# KiCad board OpenDeck-r2.2.0.kicad_pcb (continued)
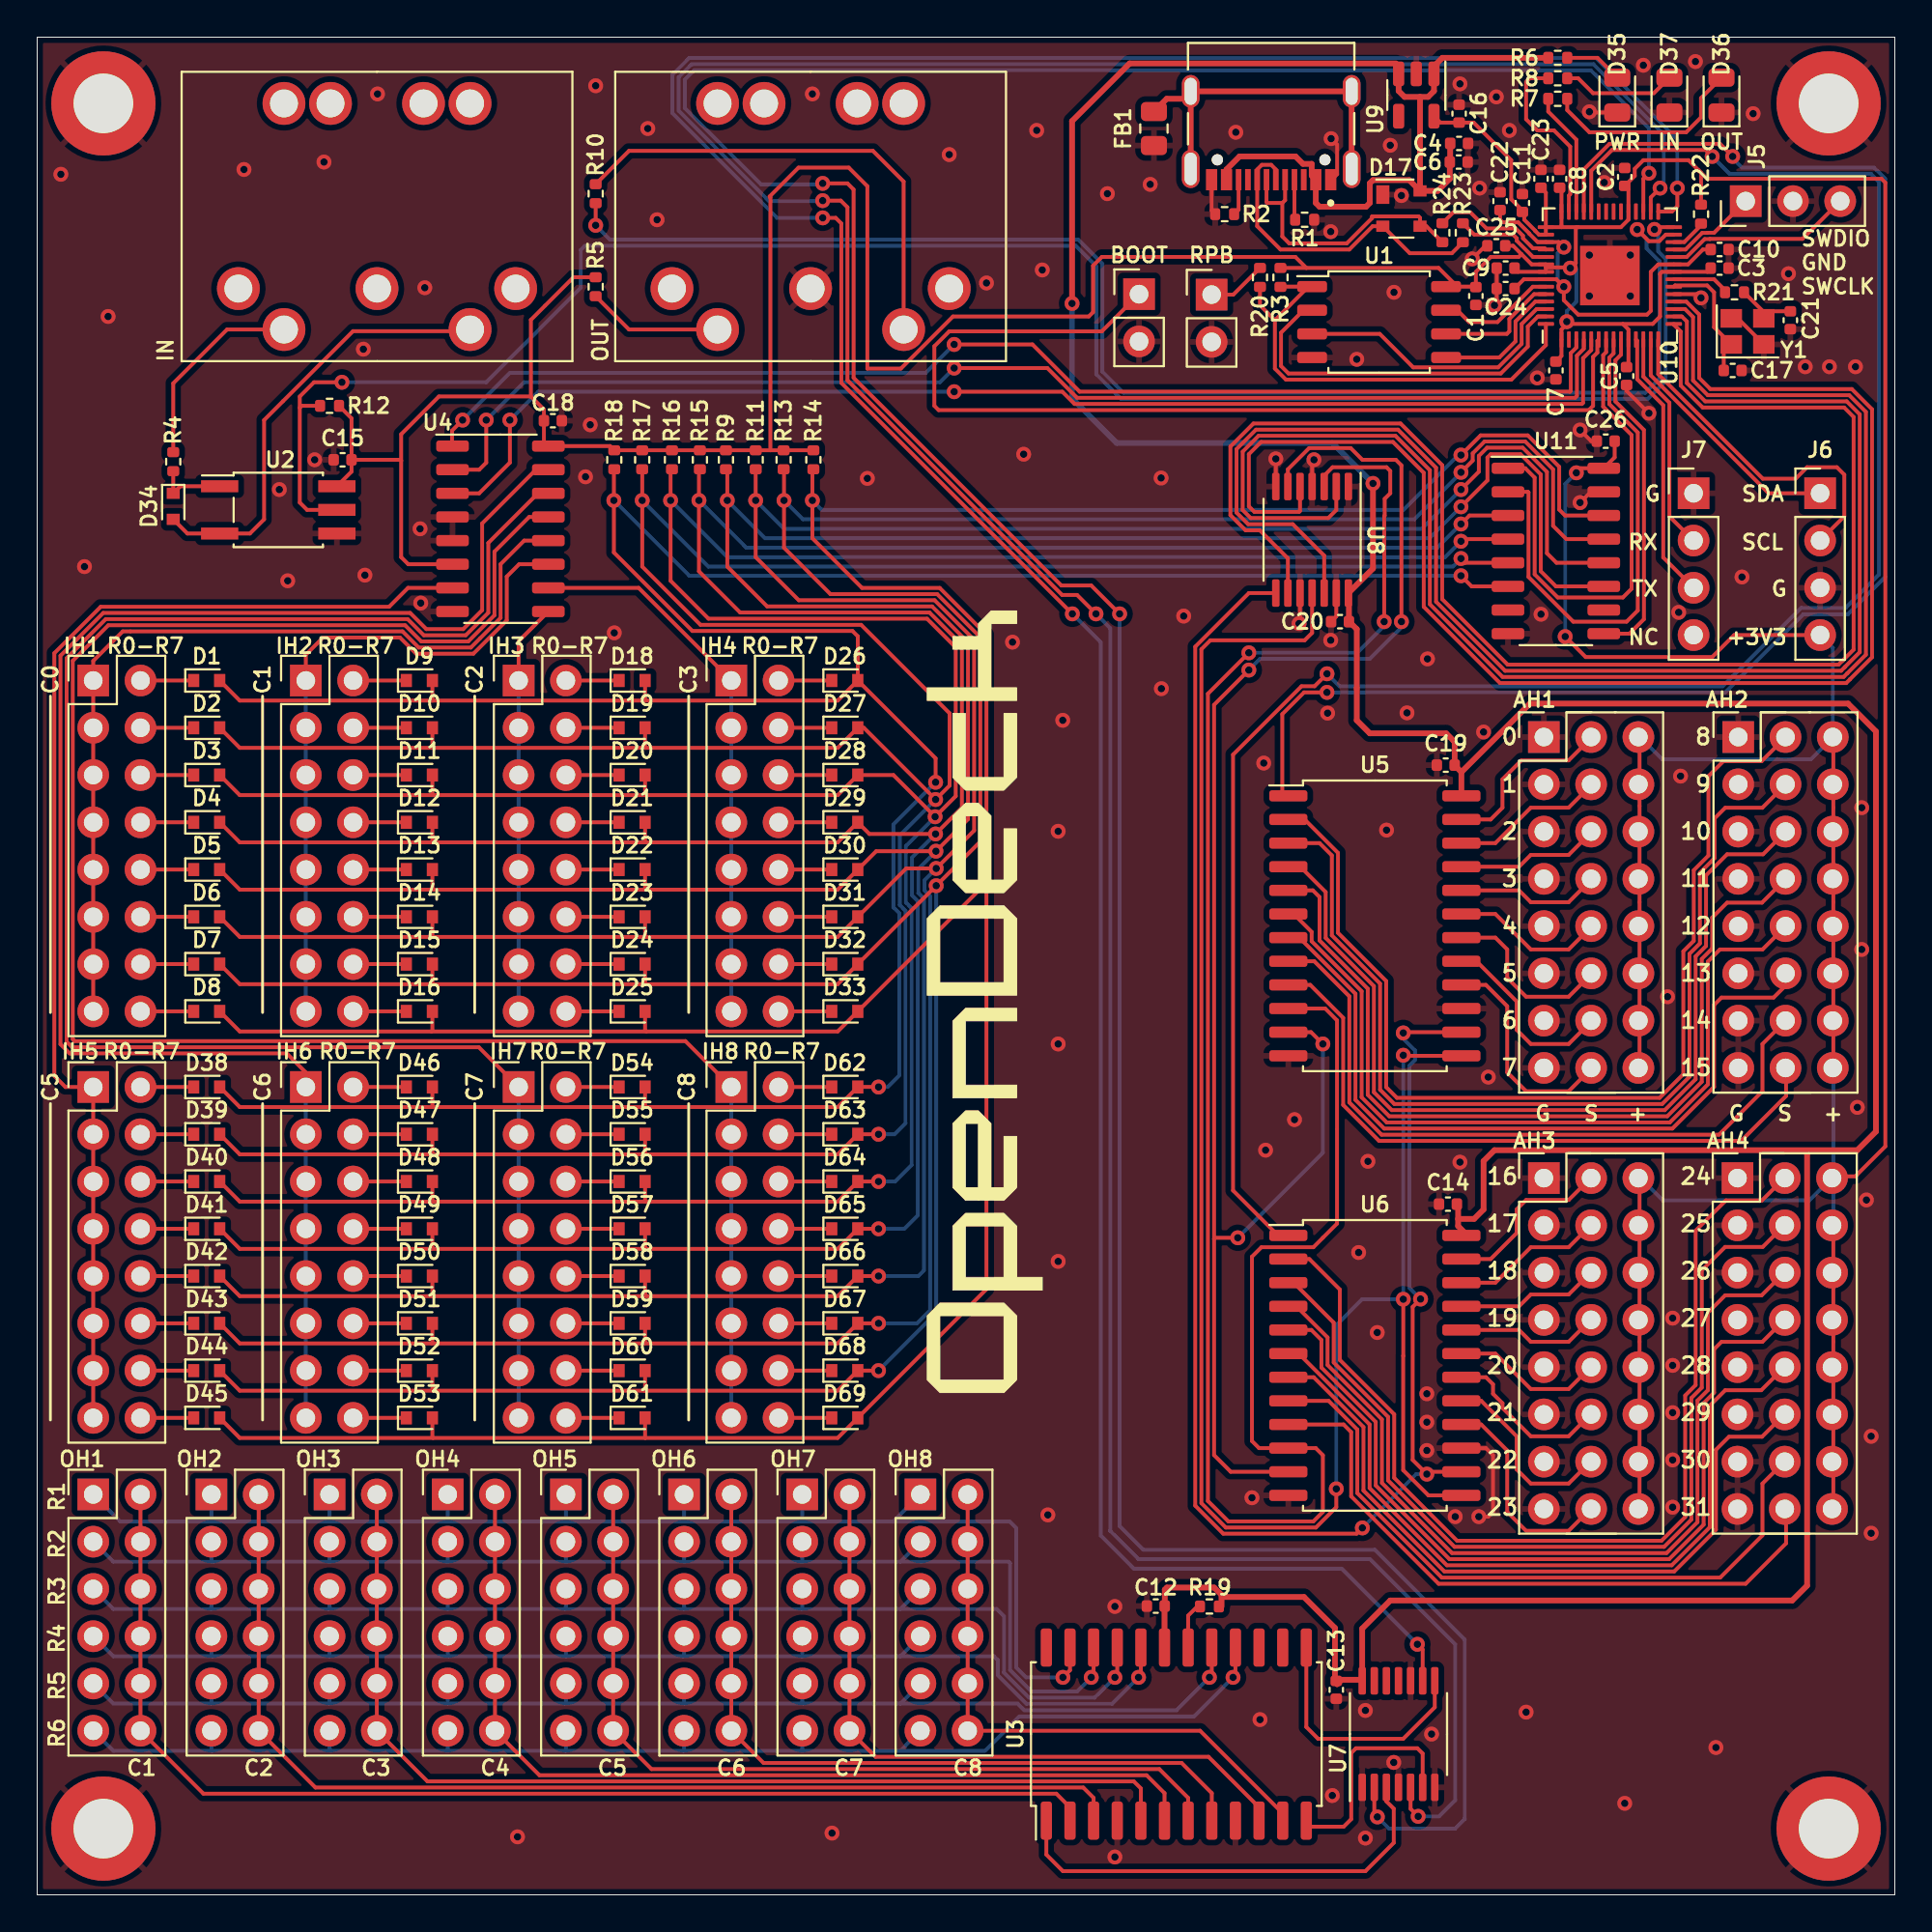
[diagram p0: board, top side]
## Routing (per net, layer and track width the routed paths; a pad name or vN(x,y) marks a point on that pad's centre or on a via; arc(x,y) is an arc through that point) (continued)
/MUX_S0: length 81.4
  Top w0.203: U8.2 69.81,74.41 69.38,73.98 65.21,73.98 64.78,74.41 64.78,77.55 65.63,78.4 72.99,78.4 74.84,76.55 74.84,69.35 78.75,65.44 97.07,65.44 97.27,65.64 98.27,66.64 98.27,79.69 97.37,80.58 89.77,80.58 88.98,81.38 88.98,84.78 88.55,85.21 U10.17
/MUX_S1: length 79.3
  Top w0.203: U10.18 88.62,85.61 89.31,84.92 89.31,81.51 89.91,80.91 97.51,80.91 98.6,79.82 98.6,66.5 97.41,65.31 97.21,65.11 78.61,65.11 74.51,69.21 74.51,76.41 72.85,78.07 65.77,78.07 65.11,77.41 65.11,74.61 65.41,74.31 67.81,74.31 67.86,74.36 U8.5
/MUX_S2: length 79.5
  Top w0.203: U8.9 67.21,71.81 65.7,73.32 64.93,73.32 64.12,74.14 64.12,77.82 65.36,79.06 73.26,79.06 75.5,76.82 75.5,69.62 79.02,66.11 96.8,66.11 97,66.31 97.61,66.91 97.61,79.41 97.1,79.92 89.5,79.92 88.32,81.1 88.32,84.01 87.95,84.38 U10.15
/MUX_S3: length 81.9
  Top w0.203: U8.12 69.16,71.96 67.47,73.65 65.07,73.65 64.45,74.28 64.45,77.69 65.5,78.73 73.12,78.73 75.17,76.69 75.17,69.49 78.88,65.78 96.94,65.78 97.14,65.98 97.14,65.98 97.94,66.78 97.94,79.55 97.24,80.25 89.64,80.25 88.65,81.24 88.65,84.54 88.38,84.81 U10.16
/QSPI_CLK: length 6
  Top w0.203: 76.31,83.88 78.97,83.88 79.11,84.01 79.11,84.68 80.44,86.01 U10.52
/QSPI_CS: length 25.5
  Top w0.203: 66.51,84.61 66.51,82.01 67.1,81.42 79.22,81.42 81.07,83.28 U10.56 ; 66.51,84.61 65.71,85.41 R20.1 ; 66.51,84.61 68.31,86.42 66.82,86.42 R3.2
/QSPI_IO0: length 6.6
  Top w0.203: 76.31,82.61 78.57,82.61 79.44,83.48 79.44,84.55 80.51,85.61 U10.53
/QSPI_IO1: length 19.8
  Top w0.203: U10.55 80.64,84.81 80.1,84.27 80.1,83.21 78.65,81.75 67.24,81.75 66.84,82.15 66.84,83.94 68.04,85.15
/QSPI_IO2: length 14.6
  Top w0.203: U10.54 80.57,85.21 79.77,84.41 79.77,83.34 78.51,82.08 73.94,82.08 72.14,83.88 69.11,83.88
/QSPI_IO3: length 5.8
  Top w0.203: 76.31,85.15 76.94,84.51 78.47,84.51 80.37,86.41 U10.51
/SCL: length 18.7
  Top w0.203: U10.14 87.11,81.71 92.73,76.1 94.49,76.1 95.11,76.71 96.71,76.71 97.11,76.31 97.11,74.07 J6.2
/SDA: length 13.7
  Top w0.203: U10.13 86.71,81.65 93.04,75.31 J6.1
/SR_IN_CLOCK: length 28.1
  Top w0.203: U11.2 80.11,75.39 80.14,75.36 80.14,70.82 82.54,68.41 85.41,68.41 86.01,69.01 86.01,78.58 84.48,80.11 84.48,82.6 84.71,82.83 U10.8
/SR_IN_DATA: length 18.3
  Top w0.203: 84.18,67.77 85.56,67.77 86.34,68.54 86.34,78.72 84.81,80.25 84.81,82.46 85.11,82.76 U10.9
/SR_IN_LATCH: length 26.9
  Top w0.203: U10.7 84.31,82.9 84.15,82.74 84.15,79.98 85.68,78.44 85.68,70.18 85.21,69.71 81.71,69.71 80.47,70.96 80.47,76.16 79.96,76.66 U11.1
/SWCLK: length 10.2
  Top w0.203: J5.3 94.86,88.98 89.89,88.98 89.88,88.98 89.61,88.98 88.64,88.01 U10.24
/SWD: length 4.9
  Top w0.203: J5.1 90.11,89.31 89.75,89.31 89.75,89.31 89.47,89.31 88.58,88.41 U10.25
/TRAFFIC_IN: length 6.7
  Top w0.203: U10.40 82.71,94.31 81.2,95.82 R7.1
/TRAFFIC_OUT: length 9.8
  Top w0.203: R8.1 80.21,97.61 80.01,97.41 80.01,95.41 80.61,94.81 81.51,94.81 82.38,93.94 82.38,91.38 82.31,91.31 U10.41
/TSCREEN_RX: length 11.9
  Top w0.203: U10.12 86.31,81.58 87.71,80.18 87.71,74.07 J7.2
/TSCREEN_TX: length 14.6
  Top w0.203: J7.3 87.38,71.86 87.38,80.04 85.98,81.44 85.98,83.51 U10.11
/USB_DM: length 15
  Top w0.203: J3.A7 66.06,90.96 66.11,90.91 66.91,90.91 ; R24.1 74.65,89.66 D17.3 74.31,90.11 74.23,90.19 71.73,90.19 71.73,90.1 70.37,88.74 67.28,88.74 66.91,89.11 66.91,90.91 ; 66.91,90.91 67.06,91.06 67.06,91.76
/USB_DP: length 17.3
  Top w0.203: J3.A6 66.56,92.71 66.31,92.96 65.81,92.96 65.56,92.71 J3.B6 ; 65.56,91.76 65.56,89.66 66.81,88.41 70.51,88.41 71.76,89.66 D17.2 73.76,88.21 76.02,88.21 R23.1
/~{USB_BOOT}: length 3.2
  Top w0.203: R20.2 64.27,85.99 J4.1
Net-(C17-Pad1): length 7.1
  Top w0.203: C17.1 90.63,82.91 Y1.1 90.11,84.24 90.11,86.11 89.74,86.48 88.02,86.48 U10.20
Net-(C21-Pad2): length 3.4
  Top w0.203: C21.2 93.16,85.09 Y1.3 92.78,85.05 R21.1
Net-(D1-Pad1): length 2.9
  Top w0.203: IH1.2 D1.1
Net-(D2-Pad1): length 2.9
  Top w0.203: D2.1 IH1.4
Net-(D3-Pad1): length 2.9
  Top w0.203: D3.1 IH1.6
Net-(D4-Pad1): length 2.9
  Top w0.203: D4.1 IH1.8
Net-(D5-Pad1): length 2.9
  Top w0.203: D5.1 IH1.10
Net-(D6-Pad1): length 2.9
  Top w0.203: D6.1 IH1.12
Net-(D7-Pad1): length 2.9
  Top w0.203: D7.1 IH1.14
Net-(D8-Pad1): length 2.9
  Top w0.203: IH1.16 D8.1
Net-(D9-Pad1): length 2.9
  Top w0.203: D9.1 16.97,65.25
Net-(D10-Pad1): length 2.9
  Top w0.203: D10.1 16.97,62.71
Net-(D11-Pad1): length 2.9
  Top w0.203: D11.1 16.97,60.17
Net-(D12-Pad1): length 2.9
  Top w0.203: D12.1 16.97,57.63
Net-(D13-Pad1): length 2.9
  Top w0.203: D13.1 16.97,55.09
Net-(D14-Pad1): length 2.9
  Top w0.203: D14.1 16.97,52.55
Net-(D15-Pad1): length 2.9
  Top w0.203: D15.1 16.97,50.01
Net-(D16-Pad1): length 2.9
  Top w0.203: D16.1 16.97,47.47
Net-(D18-Pad1): length 2.9
  Top w0.203: IH3.2 D18.1
Net-(D19-Pad1): length 2.9
  Top w0.203: IH3.4 D19.1
Net-(D20-Pad1): length 2.9
  Top w0.203: IH3.6 D20.1
Net-(D21-Pad1): length 2.9
  Top w0.203: IH3.8 D21.1
Net-(D22-Pad1): length 2.9
  Top w0.203: IH3.10 D22.1
Net-(D23-Pad1): length 2.9
  Top w0.203: IH3.12 D23.1
Net-(D24-Pad1): length 2.9
  Top w0.203: IH3.14 D24.1
Net-(D25-Pad1): length 2.9
  Top w0.203: IH3.16 D25.1
Net-(D26-Pad1): length 2.9
  Top w0.203: IH4.2 D26.1
Net-(D27-Pad1): length 2.9
  Top w0.203: IH4.4 D27.1
Net-(D28-Pad1): length 2.9
  Top w0.203: D28.1 IH4.6
Net-(D29-Pad1): length 2.9
  Top w0.203: IH4.8 D29.1
Net-(D30-Pad1): length 2.9
  Top w0.203: D30.1 IH4.10
Net-(D31-Pad1): length 2.9
  Top w0.203: IH4.12 D31.1
Net-(D32-Pad1): length 2.9
  Top w0.203: D32.1 IH4.14
Net-(D33-Pad1): length 2.9
  Top w0.203: IH4.16 D33.1
Net-(D34-Pad1): length 3.8
  Top w0.203: U2.1 7.69,75.69 D34.1 R4.2
Net-(D34-Pad2): length 23.9
  Top w0.203: 23.28,84.02 16.97,84.02 12.19,79.25 12.19,73.91 11.43,73.15 U2.3 8.07,73.15 D34.2
Net-(D35-Pad2): length 3.1
  Top w0.203: D35.2 83.85,98.71 R6.2
Net-(D36-Pad2): length 11.2
  Top w0.203: D36.2 89.41,96.55 89.41,95.51 88.61,94.71 83.41,94.71 82.22,95.9 R7.2
Net-(D37-Pad2): length 6.2
  Top w0.203: R8.2 82.81,97.61 83.61,96.81 86.87,96.81 D37.2
Net-(D38-Pad1): length 2.9
  Top w0.203: IH5.2 D38.1
Net-(D39-Pad1): length 2.9
  Top w0.203: IH5.4 D39.1
Net-(D40-Pad1): length 2.9
  Top w0.203: IH5.6 D40.1
Net-(D41-Pad1): length 2.9
  Top w0.203: D41.1 IH5.8
Net-(D42-Pad1): length 2.9
  Top w0.203: IH5.10 D42.1
Net-(D43-Pad1): length 2.9
  Top w0.203: D43.1 IH5.12
Net-(D44-Pad1): length 2.9
  Top w0.203: IH5.14 D44.1
Net-(D45-Pad1): length 2.9
  Top w0.203: D45.1 IH5.16
Net-(D46-Pad1): length 2.9
  Top w0.203: 16.97,43.41 D46.1
Net-(D47-Pad1): length 2.9
  Top w0.203: 16.97,40.87 D47.1
Net-(D48-Pad1): length 2.9
  Top w0.203: 16.97,38.33 D48.1
Net-(D49-Pad1): length 2.9
  Top w0.203: D49.1 16.97,35.79
Net-(D50-Pad1): length 2.9
  Top w0.203: 16.97,33.25 D50.1
Net-(D51-Pad1): length 2.9
  Top w0.203: D51.1 16.97,30.71
Net-(D52-Pad1): length 2.9
  Top w0.203: 16.97,28.17 D52.1
Net-(D53-Pad1): length 2.9
  Top w0.203: D53.1 16.97,25.63
Net-(D54-Pad1): length 2.9
  Top w0.203: IH7.2 D54.1
Net-(D55-Pad1): length 2.9
  Top w0.203: D55.1 IH7.4
Net-(D56-Pad1): length 2.9
  Top w0.203: IH7.6 D56.1
Net-(D57-Pad1): length 2.9
  Top w0.203: D57.1 IH7.8
Net-(D58-Pad1): length 2.9
  Top w0.203: IH7.10 D58.1
Net-(D59-Pad1): length 2.9
  Top w0.203: D59.1 IH7.12
Net-(D60-Pad1): length 2.9
  Top w0.203: IH7.14 D60.1
Net-(D61-Pad1): length 2.9
  Top w0.203: D61.1 IH7.16
Net-(D62-Pad1): length 2.9
  Top w0.203: D62.1 IH8.2
Net-(D63-Pad1): length 2.9
  Top w0.203: IH8.4 D63.1
Net-(D64-Pad1): length 2.9
  Top w0.203: D64.1 IH8.6
Net-(D65-Pad1): length 2.9
  Top w0.203: IH8.8 D65.1
Net-(D66-Pad1): length 2.9
  Top w0.203: D66.1 IH8.10
Net-(D67-Pad1): length 2.9
  Top w0.203: IH8.12 D67.1
Net-(D68-Pad1): length 2.9
  Top w0.203: D68.1 IH8.14
Net-(D69-Pad1): length 2.9
  Top w0.203: IH8.16 D69.1
Net-(FB1-Pad2): length 19.2
  Top w0.305: 61.98,96.51 60.7,96.51 FB1.2 ; J3.S1 J3.S3 J3.S4 J3.S2
Net-(J1-Pad4): length 10.8
  Top w0.203: R4.1 7.31,81.22 10.2,84.11 J1.4
Net-(J2-Pad4): length 7.3
  Top w0.203: J2.4 31.8,84.11 R5.1
Net-(J2-Pad5): length 25.9
  Top w0.203: R10.1 31.8,93.71 44.91,93.71 46.56,92.06 J2.5
Net-(J3-PadA5): length 1.8
  Top w0.203: R1.1 67.56,90.05 67.56,91.76
Net-(J3-PadB5): length 1.9
  Top w0.203: J3.B5 64.56,90.55 R2.1
Net-(R19-Pad2): length 2.1
  Top w0.203: 61.85,13.61 61.85,15 62.34,15.49
Net-(R21-Pad2): length 3.1
  Top w0.203: U10.21 90.11,86.81 90.7,86.22 R21.2
Net-(R22-Pad2): length 1.9
  Top w0.203: R22.2 89.41,89.71 88.51,88.81 U10.26
Net-(R23-Pad2): length 5.3
  Top w0.203: R23.2 77.22,89.21 79.31,89.21 79.51,89.01 79.51,88.88 80.38,88.01 U10.47
Net-(R24-Pad2): length 6.7
  Top w0.203: U10.46 81,88.48 80.37,88.48 79.84,89.02 79.84,89.15 79.45,89.54 77.88,89.54 77.01,90.41 76.1,90.41 R24.2
Net-(U3-Pad1): length 24.3
  Top w0.203: 72.5,5.72 72.5,5.02 72.9,4.63 72.9,2.79 71.37,1.27 55.12,1.27 54.23,2.16 54.23,3.66
Net-(U3-Pad12): length 12.1
  Top w0.203: 68.2,3.66 70.21,3.66 70.61,4.06 70.61,7.62 70.87,7.87 74.17,7.87 74.45,7.59 74.45,5.72
Net-(U3-Pad13): length 13.9
  Top w0.203: 68.2,13.61 68.2,9.02 68.83,8.38 73.41,8.38 75.1,10.08 75.1,11.55

## Copper pours and planes (outline as drawn; the poured copper is in the pictures)
GND on Top, Bottom: 99.95,-0.13 -0.13,-0.13 -0.13,99.95 99.95,99.95
GND on Bottom: 99.95,-0.13 -0.13,-0.13 -0.13,99.95 99.95,99.95

## Text on the board
B.Silkscreen: https://shanteacontrols.com | OpenDeck board / Revision: 2.2.0 / 2022.11
F.Silkscreen: SWDIO / GND / SWCLK | RX | NC | TX | G | +3V3 | SDA | SCL | R0-R7 | BOOT | RPB | C1 | C2 | C3 | C4 | C5 | C6 | C7 | C8 | S | PWR | + | IN | OUT | R1 | R2 | R3 | R4 | R5 | R6 | C0 | 16 | 17 | 18 | 19 | 20 | 21 | 22 | 23 | 0 | 1 | 2 | 3 | 4 | 5 | 6 | 7 | 10 | 11 | 12 | 13 | 14 | 15 | 24 | 25 | 26 | 27 | 28 | 29 | 30 | 31 | 8 | 9
